# KiCad board Solder.kicad_pcb (continued)
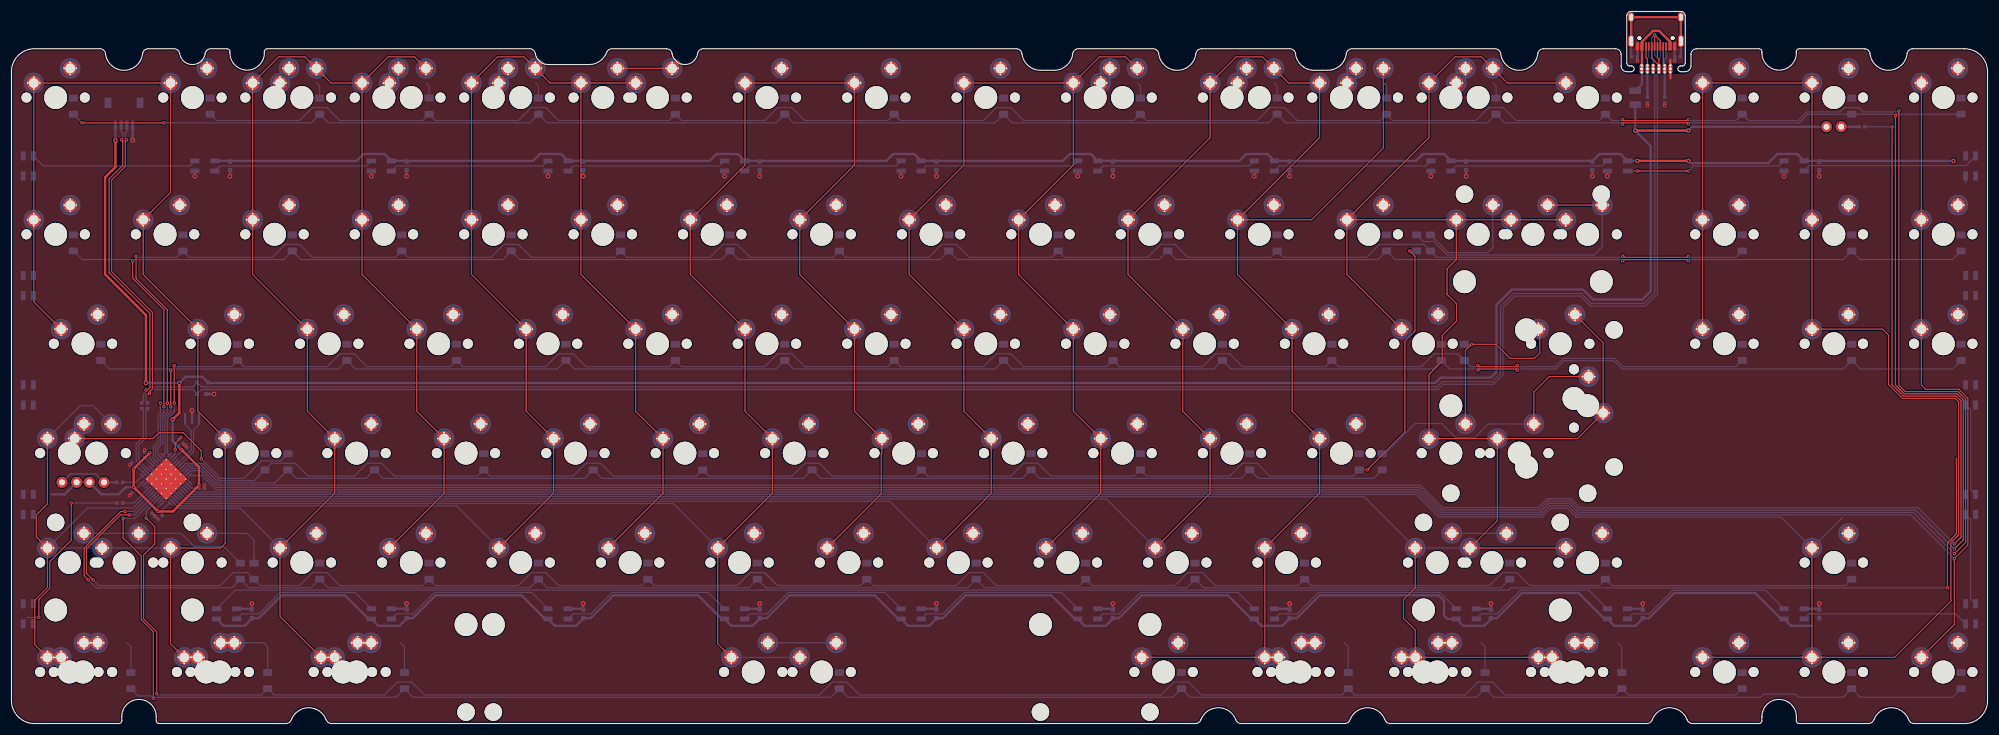
[diagram p0: board, top side]
## Copper pours and planes (outline as drawn; the poured copper is in the pictures) (continued)
C7 on Top: 313.54,85.22 313.54,85.33 313.55,85.43 313.56,85.52 313.57,85.61 313.59,85.69 313.6,85.76 313.63,85.83 313.65,85.9 313.68,85.96 313.71,86.02 313.74,86.08 313.78,86.13 313.81,86.18 313.85,86.23 314.2,86.62 314.25,86.68 314.29,86.73 314.34,86.8 314.39,86.86 314.43,86.93 314.48,87 314.52,87.08 314.56,87.17 313.44,88.34 312.31,87.17 312.36,87.08 312.4,87 312.45,86.93 312.49,86.86 312.54,86.8 312.58,86.73 312.63,86.68 312.68,86.62 313.03,86.23 313.06,86.18 313.1,86.13 313.14,86.08 313.17,86.02 313.2,85.96 313.23,85.9 313.25,85.83 313.27,85.76 313.29,85.69 313.31,85.61 313.32,85.52 313.33,85.43 313.34,85.33 313.34,85.22
C7 on Top: 294.29,90.2 294.29,90.1 294.28,90 294.27,89.91 294.26,89.82 294.24,89.74 294.22,89.66 294.2,89.59 294.18,89.53 294.15,89.47 294.12,89.41 294.09,89.35 294.05,89.3 294.01,89.25 293.98,89.2 293.63,88.81 293.58,88.75 293.53,88.69 293.49,88.63 293.44,88.57 293.4,88.5 293.35,88.42 293.31,88.34 293.26,88.26 294.39,87.09 295.51,88.26 295.47,88.34 295.43,88.42 295.38,88.5 295.34,88.57 295.29,88.63 295.24,88.69 295.2,88.75 295.15,88.81 294.8,89.2 294.76,89.25 294.73,89.3 294.69,89.35 294.66,89.41 294.63,89.47 294.6,89.53 294.58,89.59 294.55,89.66 294.54,89.74 294.52,89.82 294.51,89.91 294.5,90 294.49,90.1 294.49,90.2
C7 on Top: 294.49,109.04 294.49,109.14 294.5,109.24 294.51,109.33 294.52,109.42 294.54,109.5 294.55,109.58 294.58,109.65 294.6,109.71 294.63,109.78 294.66,109.83 294.69,109.89 294.73,109.94 294.76,109.99 294.8,110.04 295.15,110.43 295.2,110.49 295.24,110.55 295.29,110.61 295.34,110.67 295.38,110.74 295.43,110.82 295.47,110.9 295.51,110.98 294.39,112.15 293.26,110.98 293.31,110.9 293.35,110.82 293.4,110.74 293.44,110.67 293.49,110.61 293.53,110.55 293.58,110.49 293.63,110.43 293.98,110.04 294.01,109.99 294.05,109.94 294.09,109.89 294.12,109.83 294.15,109.78 294.18,109.71 294.2,109.65 294.22,109.58 294.24,109.5 294.26,109.42 294.27,109.33 294.28,109.24 294.29,109.14 294.29,109.04
C7 on Top: 313.54,109.04 313.54,109.14 313.55,109.24 313.56,109.33 313.57,109.42 313.59,109.5 313.6,109.58 313.63,109.65 313.65,109.71 313.68,109.78 313.71,109.83 313.74,109.89 313.78,109.94 313.81,109.99 313.85,110.04 314.2,110.43 314.25,110.49 314.29,110.55 314.34,110.61 314.39,110.67 314.43,110.74 314.48,110.82 314.52,110.9 314.56,110.98 313.44,112.15 312.31,110.98 312.36,110.9 312.4,110.82 312.45,110.74 312.49,110.67 312.54,110.61 312.58,110.55 312.63,110.49 312.68,110.43 313.03,110.04 313.06,109.99 313.1,109.94 313.14,109.89 313.17,109.83 313.2,109.78 313.23,109.71 313.25,109.65 313.27,109.58 313.29,109.5 313.31,109.42 313.32,109.33 313.33,109.24 313.34,109.14 313.34,109.04
C7 on Top: 313.34,90.2 313.34,90.1 313.33,90 313.32,89.91 313.31,89.82 313.29,89.74 313.27,89.66 313.25,89.59 313.23,89.53 313.2,89.47 313.17,89.41 313.14,89.35 313.1,89.3 313.06,89.25 313.03,89.2 312.68,88.81 312.63,88.75 312.58,88.69 312.54,88.63 312.49,88.57 312.45,88.5 312.4,88.42 312.36,88.34 312.31,88.26 313.44,87.09 314.56,88.26 314.52,88.34 314.48,88.42 314.43,88.5 314.39,88.57 314.34,88.63 314.29,88.69 314.25,88.75 314.2,88.81 313.85,89.2 313.81,89.25 313.78,89.3 313.74,89.35 313.71,89.41 313.68,89.47 313.65,89.53 313.63,89.59 313.6,89.66 313.59,89.74 313.57,89.82 313.56,89.91 313.55,90 313.54,90.1 313.54,90.2
C7 on Top: 296.88,111.63 296.77,111.63 296.67,111.63 296.58,111.64 296.5,111.66 296.41,111.67 296.34,111.69 296.27,111.71 296.2,111.74 296.14,111.77 296.08,111.8 296.03,111.83 295.97,111.86 295.92,111.9 295.87,111.94 295.48,112.29 295.43,112.33 295.37,112.38 295.31,112.43 295.24,112.47 295.17,112.52 295.1,112.56 295.02,112.61 294.93,112.65 293.76,111.53 294.93,110.4 295.02,110.45 295.1,110.49 295.17,110.53 295.24,110.58 295.31,110.63 295.37,110.67 295.43,110.72 295.48,110.77 295.87,111.11 295.92,111.15 295.97,111.19 296.03,111.22 296.08,111.26 296.14,111.29 296.2,111.31 296.27,111.34 296.34,111.36 296.41,111.38 296.5,111.4 296.58,111.41 296.67,111.42 296.77,111.43 296.88,111.43
C7 on Top: 310.95,111.43 311.06,111.43 311.15,111.42 311.25,111.41 311.33,111.4 311.41,111.38 311.49,111.36 311.56,111.34 311.63,111.31 311.69,111.29 311.75,111.26 311.8,111.22 311.85,111.19 311.91,111.15 311.96,111.11 312.35,110.77 312.4,110.72 312.46,110.67 312.52,110.63 312.59,110.58 312.66,110.53 312.73,110.49 312.81,110.45 312.89,110.4 314.06,111.53 312.89,112.65 312.81,112.61 312.73,112.56 312.66,112.52 312.59,112.47 312.52,112.43 312.46,112.38 312.4,112.33 312.35,112.29 311.96,111.94 311.91,111.9 311.85,111.86 311.8,111.83 311.75,111.8 311.69,111.77 311.63,111.74 311.56,111.71 311.49,111.69 311.41,111.67 311.33,111.66 311.25,111.64 311.15,111.63 311.06,111.63 310.95,111.63
C7 on Top: 315.93,11.61 315.82,11.62 315.72,11.62 315.63,11.63 315.55,11.64 315.46,11.66 315.39,11.68 315.32,11.7 315.25,11.73 315.19,11.76 315.13,11.79 315.08,11.82 315.02,11.85 314.97,11.89 314.92,11.93 314.53,12.28 314.48,12.32 314.42,12.37 314.36,12.42 314.29,12.46 314.22,12.51 314.15,12.55 314.07,12.6 313.98,12.64 312.81,11.51 313.98,10.39 314.07,10.43 314.15,10.48 314.22,10.52 314.29,10.57 314.36,10.61 314.42,10.66 314.48,10.71 314.53,10.75 314.92,11.1 314.97,11.14 315.02,11.18 315.08,11.21 315.13,11.24 315.19,11.27 315.25,11.3 315.32,11.33 315.39,11.35 315.46,11.37 315.55,11.38 315.63,11.4 315.72,11.41 315.82,11.41 315.93,11.41
C7 on Top: 315.93,68.76 315.82,68.77 315.72,68.77 315.63,68.78 315.55,68.79 315.46,68.81 315.39,68.83 315.32,68.85 315.25,68.88 315.19,68.91 315.13,68.94 315.08,68.97 315.02,69 314.97,69.04 314.92,69.08 314.53,69.43 314.48,69.47 314.42,69.52 314.36,69.57 314.29,69.61 314.22,69.66 314.15,69.7 314.07,69.75 313.98,69.79 312.81,68.66 313.98,67.54 314.07,67.58 314.15,67.63 314.22,67.67 314.29,67.72 314.36,67.76 314.42,67.81 314.48,67.86 314.53,67.9 314.92,68.25 314.97,68.29 315.02,68.33 315.08,68.36 315.13,68.39 315.19,68.42 315.25,68.45 315.32,68.48 315.39,68.5 315.46,68.52 315.55,68.53 315.63,68.55 315.72,68.56 315.82,68.56 315.93,68.56
C7 on Top: 294.29,71.15 294.29,71.05 294.28,70.95 294.27,70.86 294.26,70.77 294.24,70.69 294.22,70.61 294.2,70.54 294.18,70.48 294.15,70.42 294.12,70.36 294.09,70.3 294.05,70.25 294.01,70.2 293.98,70.15 293.63,69.76 293.58,69.7 293.53,69.64 293.49,69.58 293.44,69.52 293.4,69.45 293.35,69.37 293.31,69.29 293.26,69.21 294.39,68.04 295.51,69.21 295.47,69.29 295.43,69.37 295.38,69.45 295.34,69.52 295.29,69.58 295.24,69.64 295.2,69.7 295.15,69.76 294.8,70.15 294.76,70.2 294.73,70.25 294.69,70.3 294.66,70.36 294.63,70.42 294.6,70.48 294.58,70.54 294.55,70.61 294.54,70.69 294.52,70.77 294.51,70.86 294.5,70.95 294.49,71.05 294.49,71.15
C7 on Top: 296.88,11.61 296.77,11.62 296.67,11.62 296.58,11.63 296.5,11.64 296.41,11.66 296.34,11.68 296.27,11.7 296.2,11.73 296.14,11.76 296.08,11.79 296.03,11.82 295.97,11.85 295.92,11.89 295.87,11.93 295.48,12.28 295.43,12.32 295.37,12.37 295.31,12.42 295.24,12.46 295.17,12.51 295.1,12.55 295.02,12.6 294.93,12.64 293.76,11.51 294.93,10.39 295.02,10.43 295.1,10.48 295.17,10.52 295.24,10.57 295.31,10.61 295.37,10.66 295.43,10.71 295.48,10.75 295.87,11.1 295.92,11.14 295.97,11.18 296.03,11.21 296.08,11.24 296.14,11.27 296.2,11.3 296.27,11.33 296.34,11.35 296.41,11.37 296.5,11.38 296.58,11.4 296.67,11.41 296.77,11.41 296.88,11.41
C7 on Top: 310.95,11.41 311.06,11.41 311.15,11.41 311.25,11.4 311.33,11.38 311.41,11.37 311.49,11.35 311.56,11.33 311.63,11.3 311.69,11.27 311.75,11.24 311.8,11.21 311.85,11.18 311.91,11.14 311.96,11.1 312.35,10.75 312.4,10.71 312.46,10.66 312.52,10.61 312.59,10.57 312.66,10.52 312.73,10.48 312.81,10.43 312.89,10.39 314.06,11.51 312.89,12.64 312.81,12.6 312.73,12.55 312.66,12.51 312.59,12.46 312.52,12.42 312.46,12.37 312.4,12.32 312.35,12.28 311.96,11.93 311.91,11.89 311.85,11.85 311.8,11.82 311.75,11.79 311.69,11.76 311.63,11.73 311.56,11.7 311.49,11.68 311.41,11.66 311.33,11.64 311.25,11.63 311.15,11.62 311.06,11.62 310.95,11.61
C7 on Bottom: 311.61,32.25 311.68,32.18 311.75,32.1 311.81,32.03 311.86,31.96 311.9,31.89 311.94,31.83 311.98,31.76 312.01,31.7 312.03,31.63 312.05,31.57 312.07,31.51 312.08,31.45 312.09,31.38 312.1,31.32 312.13,30.8 312.13,30.73 312.14,30.65 312.15,30.58 312.17,30.5 312.18,30.42 312.2,30.33 312.23,30.25 312.26,30.15 313.88,30.12 313.85,31.75 313.76,31.77 313.67,31.8 313.59,31.82 313.51,31.84 313.43,31.85 313.35,31.86 313.28,31.87 313.2,31.88 312.68,31.91 312.62,31.91 312.56,31.92 312.5,31.94 312.43,31.95 312.37,31.97 312.31,32 312.24,32.03 312.18,32.06 312.11,32.1 312.04,32.15 311.97,32.2 311.9,32.26 311.83,32.32 311.75,32.4
C7 on Bottom: 315.13,32.4 315.05,32.32 314.98,32.26 314.91,32.2 314.84,32.15 314.77,32.1 314.7,32.06 314.64,32.03 314.57,32 314.51,31.97 314.44,31.95 314.38,31.94 314.32,31.92 314.26,31.91 314.2,31.91 313.67,31.88 313.6,31.87 313.53,31.86 313.45,31.85 313.37,31.84 313.29,31.82 313.21,31.8 313.12,31.77 313.03,31.75 313,30.12 314.62,30.15 314.65,30.25 314.67,30.33 314.7,30.42 314.71,30.5 314.73,30.58 314.74,30.65 314.74,30.73 314.75,30.8 314.78,31.32 314.79,31.38 314.8,31.45 314.81,31.51 314.83,31.57 314.85,31.63 314.87,31.7 314.9,31.76 314.94,31.83 314.97,31.89 315.02,31.96 315.07,32.03 315.13,32.1 315.2,32.18 315.27,32.25
C8 on Top: 332.39,71.15 332.39,71.05 332.38,70.95 332.37,70.86 332.36,70.77 332.34,70.69 332.32,70.61 332.3,70.54 332.28,70.48 332.25,70.42 332.22,70.36 332.19,70.3 332.15,70.25 332.11,70.2 332.08,70.15 331.73,69.76 331.68,69.7 331.63,69.64 331.59,69.58 331.54,69.52 331.5,69.45 331.45,69.37 331.41,69.29 331.36,69.21 332.49,68.04 333.61,69.21 333.57,69.29 333.53,69.37 333.48,69.45 333.44,69.52 333.39,69.58 333.34,69.64 333.3,69.7 333.25,69.76 332.9,70.15 332.86,70.2 332.83,70.25 332.79,70.3 332.76,70.36 332.73,70.42 332.7,70.48 332.68,70.54 332.65,70.61 332.64,70.69 332.62,70.77 332.61,70.86 332.6,70.95 332.59,71.05 332.59,71.15
C8 on Top: 332.59,85.22 332.59,85.33 332.6,85.43 332.61,85.52 332.62,85.61 332.64,85.69 332.65,85.76 332.68,85.83 332.7,85.9 332.73,85.96 332.76,86.02 332.79,86.08 332.83,86.13 332.86,86.18 332.9,86.23 333.25,86.62 333.3,86.68 333.34,86.73 333.39,86.8 333.44,86.86 333.48,86.93 333.53,87 333.57,87.08 333.61,87.17 332.49,88.34 331.36,87.17 331.41,87.08 331.45,87 331.5,86.93 331.54,86.86 331.59,86.8 331.63,86.73 331.68,86.68 331.73,86.62 332.08,86.23 332.11,86.18 332.15,86.13 332.19,86.08 332.22,86.02 332.25,85.96 332.28,85.9 332.3,85.83 332.32,85.76 332.34,85.69 332.36,85.61 332.37,85.52 332.38,85.43 332.39,85.33 332.39,85.22
C8 on Top: 332.59,109.04 332.59,109.14 332.6,109.24 332.61,109.33 332.62,109.42 332.64,109.5 332.65,109.58 332.68,109.65 332.7,109.71 332.73,109.78 332.76,109.83 332.79,109.89 332.83,109.94 332.86,109.99 332.9,110.04 333.25,110.43 333.3,110.49 333.34,110.55 333.39,110.61 333.44,110.67 333.48,110.74 333.53,110.82 333.57,110.9 333.61,110.98 332.49,112.15 331.36,110.98 331.41,110.9 331.45,110.82 331.5,110.74 331.54,110.67 331.59,110.61 331.63,110.55 331.68,110.49 331.73,110.43 332.08,110.04 332.11,109.99 332.15,109.94 332.19,109.89 332.22,109.83 332.25,109.78 332.28,109.71 332.3,109.65 332.32,109.58 332.34,109.5 332.36,109.42 332.37,109.33 332.38,109.24 332.39,109.14 332.39,109.04
C8 on Top: 332.39,90.2 332.39,90.1 332.38,90 332.37,89.91 332.36,89.82 332.34,89.74 332.32,89.66 332.3,89.59 332.28,89.53 332.25,89.47 332.22,89.41 332.19,89.35 332.15,89.3 332.11,89.25 332.08,89.2 331.73,88.81 331.68,88.75 331.63,88.69 331.59,88.63 331.54,88.57 331.5,88.5 331.45,88.42 331.41,88.34 331.36,88.26 332.49,87.09 333.61,88.26 333.57,88.34 333.53,88.42 333.48,88.5 333.44,88.57 333.39,88.63 333.34,88.69 333.3,88.75 333.25,88.81 332.9,89.2 332.86,89.25 332.83,89.3 332.79,89.35 332.76,89.41 332.73,89.47 332.7,89.53 332.68,89.59 332.65,89.66 332.64,89.74 332.62,89.82 332.61,89.91 332.6,90 332.59,90.1 332.59,90.2
C8 on Top: 334.18,13.35 334.1,13.27 334.03,13.21 333.96,13.15 333.89,13.1 333.82,13.05 333.75,13.01 333.69,12.98 333.62,12.95 333.56,12.92 333.49,12.9 333.43,12.89 333.37,12.87 333.31,12.86 333.25,12.86 332.72,12.83 332.65,12.82 332.58,12.81 332.5,12.8 332.42,12.79 332.34,12.77 332.26,12.75 332.17,12.72 332.08,12.7 332.05,11.07 333.67,11.1 333.7,11.2 333.72,11.28 333.75,11.37 333.76,11.45 333.78,11.53 333.79,11.6 333.79,11.68 333.8,11.75 333.83,12.27 333.84,12.33 333.85,12.4 333.86,12.46 333.88,12.52 333.9,12.58 333.92,12.65 333.95,12.71 333.99,12.78 334.02,12.84 334.07,12.91 334.12,12.98 334.18,13.05 334.25,13.13 334.32,13.2
C8 on Top: 332.59,66.17 332.59,66.28 332.6,66.38 332.61,66.47 332.62,66.56 332.64,66.64 332.65,66.71 332.68,66.78 332.7,66.85 332.73,66.91 332.76,66.97 332.79,67.03 332.83,67.08 332.86,67.13 332.9,67.18 333.25,67.57 333.3,67.63 333.34,67.68 333.39,67.75 333.44,67.81 333.48,67.88 333.53,67.95 333.57,68.03 333.61,68.12 332.49,69.29 331.36,68.12 331.41,68.03 331.45,67.95 331.5,67.88 331.54,67.81 331.59,67.75 331.63,67.68 331.68,67.63 331.73,67.57 332.08,67.18 332.11,67.13 332.15,67.08 332.19,67.03 332.22,66.97 332.25,66.91 332.28,66.85 332.3,66.78 332.32,66.71 332.34,66.64 332.36,66.56 332.37,66.47 332.38,66.38 332.39,66.28 332.39,66.17
Shiled on Top: 282.96,123.19 282.19,123.44 281.72,122.99 282.19,122.54 282.96,122.79
Shiled on Top: 282.96,123.19 282.19,123.44 281.72,122.99 282.19,122.54 282.96,122.79
Shiled on Top: 289.62,122.79 290.39,122.54 290.86,122.99 290.39,123.44 289.62,123.19
Shiled on Top: 281.77,119.8 281.52,119.02 281.97,118.56 282.42,119.02 282.17,119.8
Shiled on Top: 282.17,122 282.42,122.77 281.97,123.24 281.52,122.77 281.77,122
Shiled on Top: 282.17,122 282.42,122.77 281.97,123.24 281.52,122.77 281.77,122
Shiled on Top: 281.77,119.8 281.52,119.02 281.97,118.56 282.42,119.02 282.17,119.8
Shiled on Top: 290.41,119.8 290.16,119.02 290.61,118.56 291.06,119.02 290.81,119.8
Shiled on Top: 290.81,122 291.06,122.77 290.61,123.24 290.16,122.77 290.41,122
Shiled on Top: 290.41,119.8 290.16,119.02 290.61,118.56 291.06,119.02 290.81,119.8
Shiled on Top: 290.81,122 291.06,122.77 290.61,123.24 290.16,122.77 290.41,122
Shiled on Top: 289.62,122.79 290.39,122.54 290.86,122.99 290.39,123.44 289.62,123.19
Shiled on Bottom: 281.77,119.8 281.52,119.02 281.97,118.56 282.42,119.02 282.17,119.8
Shiled on Bottom: 281.77,119.8 281.52,119.02 281.97,118.56 282.42,119.02 282.17,119.8
Shiled on Bottom: 282.17,122 282.42,122.77 281.97,123.24 281.52,122.77 281.77,122
Shiled on Bottom: 282.17,122 282.42,122.77 281.97,123.24 281.52,122.77 281.77,122
Shiled on Bottom: 290.81,117.82 291.06,118.59 290.61,119.06 290.16,118.59 290.41,117.82
Shiled on Bottom: 290.81,117.82 291.06,118.59 290.61,119.06 290.16,118.59 290.41,117.82
Shiled on Bottom: 290.41,119.8 290.16,119.02 290.61,118.56 291.06,119.02 290.81,119.8
Shiled on Bottom: 290.81,122 291.06,122.77 290.61,123.24 290.16,122.77 290.41,122
Shiled on Bottom: 290.41,119.8 290.16,119.02 290.61,118.56 291.06,119.02 290.81,119.8
Shiled on Bottom: 290.81,122 291.06,122.77 290.61,123.24 290.16,122.77 290.41,122
Shiled on Bottom: 289.62,122.79 290.39,122.54 290.86,122.99 290.39,123.44 289.62,123.19
Shiled on Bottom: 289.62,122.79 290.39,122.54 290.86,122.99 290.39,123.44 289.62,123.19
Shiled on Bottom: 282.96,123.19 282.19,123.44 281.72,122.99 282.19,122.54 282.96,122.79
Shiled on Bottom: 282.96,123.19 282.19,123.44 281.72,122.99 282.19,122.54 282.96,122.79
Shiled on Bottom: 282.17,117.82 282.42,118.59 281.97,119.06 281.52,118.59 281.77,117.82
Shiled on Bottom: 282.17,117.82 282.42,118.59 281.97,119.06 281.52,118.59 281.77,117.82
Net-(D1-Pad1) on Bottom: 10.05,43.43 10,43.37 9.94,43.32 9.89,43.28 9.83,43.24 9.78,43.2 9.73,43.17 9.68,43.14 9.64,43.12 9.59,43.1 9.54,43.08 9.49,43.07 8.74,42.97 8.68,42.95 8.62,42.94 8.55,42.92 8.49,42.89 8.46,41.66 9.7,41.68 9.72,41.75 9.74,41.82 9.76,41.88 9.77,41.94 9.87,42.69 9.89,42.74 9.9,42.78 9.92,42.83 9.95,42.88 9.97,42.93 10.01,42.98 10.04,43.03 10.08,43.08 10.13,43.14 10.18,43.19 10.23,43.25
Net-(D1-Pad1) on Bottom: 14.67,43.25 14.72,43.19 14.77,43.14 14.82,43.08 14.86,43.03 14.89,42.98 14.92,42.93 14.95,42.88 14.97,42.83 14.99,42.78 15.01,42.74 15.03,42.69 15.13,41.94 15.14,41.88 15.16,41.82 15.18,41.75 15.2,41.68 16.44,41.66 16.41,42.89 16.34,42.92 16.28,42.94 16.22,42.95 16.16,42.97 15.4,43.07 15.36,43.08 15.31,43.1 15.26,43.12 15.21,43.14 15.17,43.17 15.12,43.2 15.06,43.24 15.01,43.28 14.96,43.32 14.9,43.37 14.84,43.43
Net-(D1-Pad1) on Bottom: 18,42.19 17.92,42.2 17.85,42.2 17.78,42.2 17.72,42.21 17.65,42.22 17.6,42.23 17.54,42.25 17.49,42.26 17.44,42.28 17.4,42.3 16.64,42.79 16.58,42.82 16.52,42.85 15.62,41.99 16.52,41.14 16.58,41.17 16.64,41.2 17.4,41.69 17.44,41.71 17.49,41.73 17.54,41.74 17.6,41.76 17.65,41.77 17.72,41.78 17.78,41.78 17.85,41.79 17.92,41.79 18,41.79
Net-(D3-Pad1) on Bottom: 320.42,104.11 320.34,104.11 320.27,104.11 320.2,104.12 320.13,104.12 320.07,104.13 320.02,104.15 319.96,104.16 319.91,104.17 319.86,104.19 319.82,104.21 319.05,104.7 319,104.73 318.93,104.76 318.04,103.91 318.93,103.05 319,103.08 319.05,103.11 319.82,103.61 319.86,103.62 319.91,103.64 319.96,103.66 320.02,103.67 320.07,103.68 320.13,103.69 320.2,103.7 320.27,103.7 320.34,103.71 320.42,103.71
Net-(D7-Pad2) on Top: 13.51,49.71 13.4,49.72 13.3,49.72 13.21,49.73 13.13,49.74 13.05,49.76 12.97,49.78 12.9,49.8 12.83,49.83 12.77,49.86 12.71,49.89 12.66,49.92 12.6,49.95 12.55,49.99 12.5,50.03 12.11,50.38 12.06,50.42 12,50.47 11.94,50.52 11.87,50.56 11.8,50.61 11.73,50.65 11.65,50.7 11.57,50.74 10.4,49.61 11.57,48.49 11.65,48.53 11.73,48.58 11.8,48.62 11.87,48.67 11.94,48.71 12,48.76 12.06,48.81 12.11,48.85 12.5,49.2 12.55,49.24 12.6,49.28 12.66,49.31 12.71,49.34 12.77,49.37 12.83,49.4 12.9,49.43 12.97,49.45 13.05,49.47 13.13,49.48 13.21,49.5 13.3,49.51 13.4,49.51 13.51,49.51
Net-(D8-Pad2) on Bottom: 15.1,33.2 14.99,33.21 14.89,33.21 14.8,33.22 14.71,33.23 14.63,33.25 14.56,33.27 14.49,33.29 14.42,33.32 14.36,33.35 14.3,33.38 14.25,33.41 14.19,33.44 14.14,33.48 14.09,33.52 13.7,33.87 13.65,33.91 13.59,33.96 13.53,34.01 13.46,34.05 13.39,34.1 13.32,34.14 13.24,34.19 13.15,34.23 11.98,33.1 13.15,31.98 13.24,32.02 13.32,32.07 13.39,32.11 13.46,32.16 13.53,32.2 13.59,32.25 13.65,32.3 13.7,32.34 14.09,32.69 14.14,32.73 14.19,32.77 14.25,32.8 14.3,32.83 14.36,32.86 14.42,32.89 14.49,32.92 14.56,32.94 14.63,32.96 14.71,32.97 14.8,32.99 14.89,33 14.99,33 15.1,33
Net-(D8-Pad2) on Bottom: 19.64,33 19.75,33 19.85,33 19.94,32.99 20.03,32.97 20.11,32.96 20.18,32.94 20.25,32.92 20.32,32.89 20.38,32.86 20.44,32.83 20.5,32.8 20.55,32.77 20.6,32.73 20.65,32.69 21.04,32.34 21.09,32.3 21.15,32.25 21.21,32.2 21.28,32.16 21.35,32.11 21.42,32.07 21.5,32.02 21.59,31.98 22.76,33.1 21.59,34.23 21.5,34.19 21.42,34.14 21.35,34.1 21.28,34.05 21.21,34.01 21.15,33.96 21.09,33.91 21.04,33.87 20.65,33.52 20.6,33.48 20.55,33.44 20.5,33.41 20.44,33.38 20.38,33.35 20.32,33.32 20.25,33.29 20.18,33.27 20.11,33.25 20.03,33.23 19.94,33.22 19.85,33.21 19.75,33.21 19.64,33.2
Net-(D8-Pad2) on Bottom: 24.62,33.2 24.52,33.21 24.42,33.21 24.33,33.22 24.24,33.23 24.16,33.25 24.08,33.27 24.01,33.29 23.95,33.32 23.88,33.35 23.83,33.38 23.77,33.41 23.72,33.44 23.67,33.48 23.62,33.52 23.23,33.87 23.17,33.91 23.11,33.96 23.05,34.01 22.99,34.05 22.92,34.1 22.84,34.14 22.76,34.19 22.68,34.23 21.51,33.1 22.68,31.98 22.76,32.02 22.84,32.07 22.92,32.11 22.99,32.16 23.05,32.2 23.11,32.25 23.17,32.3 23.23,32.34 23.62,32.69 23.67,32.73 23.72,32.77 23.77,32.8 23.83,32.83 23.88,32.86 23.95,32.89 24.01,32.92 24.08,32.94 24.16,32.96 24.24,32.97 24.33,32.99 24.42,33 24.52,33 24.62,33
Net-(D14-Pad2) on Bottom: 36.53,33.2 36.42,33.21 36.32,33.21 36.23,33.22 36.14,33.23 36.06,33.25 35.99,33.27 35.92,33.29 35.85,33.32 35.79,33.35 35.73,33.38 35.68,33.41 35.62,33.44 35.57,33.48 35.52,33.52 35.13,33.87 35.08,33.91 35.02,33.96 34.96,34.01 34.89,34.05 34.82,34.1 34.75,34.14 34.67,34.19 34.58,34.23 33.41,33.1 34.58,31.98 34.67,32.02 34.75,32.07 34.82,32.11 34.89,32.16 34.96,32.2 35.02,32.25 35.08,32.3 35.13,32.34 35.52,32.69 35.57,32.73 35.62,32.77 35.68,32.8 35.73,32.83 35.79,32.86 35.85,32.89 35.92,32.92 35.99,32.94 36.06,32.96 36.14,32.97 36.23,32.99 36.32,33 36.42,33 36.53,33
Net-(D15-Pad2) on Bottom: 41.29,14.15 41.19,14.16 41.09,14.16 40.99,14.17 40.91,14.18 40.83,14.2 40.75,14.22 40.68,14.24 40.62,14.27 40.55,14.3 40.49,14.33 40.44,14.36 40.39,14.39 40.33,14.43 40.29,14.47 39.9,14.82 39.84,14.86 39.78,14.91 39.72,14.96 39.66,15 39.59,15.05 39.51,15.09 39.43,15.14 39.35,15.18 38.18,14.05 39.35,12.93 39.43,12.97 39.51,13.02 39.59,13.06 39.66,13.11 39.72,13.15 39.78,13.2 39.84,13.25 39.9,13.29 40.29,13.64 40.33,13.68 40.39,13.72 40.44,13.75 40.49,13.78 40.55,13.81 40.62,13.84 40.68,13.87 40.75,13.89 40.83,13.91 40.91,13.92 40.99,13.94 41.09,13.95 41.19,13.95 41.29,13.95
Net-(D32-Pad2) on Top: 107.97,114.17 107.86,114.17 107.76,114.17 107.67,114.18 107.58,114.2 107.5,114.21 107.43,114.23 107.36,114.25 107.29,114.28 107.23,114.31 107.17,114.34 107.11,114.37 107.06,114.4 107.01,114.44 106.96,114.48 106.57,114.83 106.51,114.87 106.46,114.92 106.4,114.97 106.33,115.01 106.26,115.06 106.19,115.1 106.11,115.15 106.02,115.19 104.85,114.07 106.02,112.94 106.11,112.99 106.19,113.03 106.26,113.07 106.33,113.12 106.4,113.17 106.46,113.21 106.51,113.26 106.57,113.31 106.96,113.65 107.01,113.69 107.06,113.73 107.11,113.76 107.17,113.8 107.23,113.83 107.29,113.85 107.36,113.88 107.43,113.9 107.5,113.92 107.58,113.94 107.67,113.95 107.76,113.96 107.86,113.97 107.97,113.97
Net-(D32-Pad2) on Top: 112.51,113.97 112.62,113.97 112.72,113.96 112.81,113.95 112.9,113.94 112.98,113.92 113.05,113.9 113.12,113.88 113.19,113.85 113.25,113.83 113.31,113.8 113.36,113.76 113.42,113.73 113.47,113.69 113.52,113.65 113.91,113.31 113.96,113.26 114.02,113.21 114.08,113.17 114.15,113.12 114.22,113.07 114.29,113.03 114.37,112.99 114.46,112.94 115.63,114.07 114.46,115.19 114.37,115.15 114.29,115.1 114.22,115.06 114.15,115.01 114.08,114.97 114.02,114.92 113.96,114.87 113.91,114.83 113.52,114.48 113.47,114.44 113.42,114.4 113.36,114.37 113.31,114.34 113.25,114.31 113.19,114.28 113.12,114.25 113.05,114.23 112.98,114.21 112.9,114.2 112.81,114.18 112.72,114.17 112.62,114.17 112.51,114.17
Net-(D42-Pad2) on Bottom: 141.09,13.95 141.19,13.95 141.29,13.95 141.38,13.94 141.47,13.92 141.55,13.91 141.63,13.89 141.7,13.87 141.76,13.84 141.82,13.81 141.88,13.78 141.94,13.75 141.99,13.72 142.04,13.68 142.09,13.64 142.48,13.29 142.54,13.25 142.6,13.2 142.66,13.15 142.72,13.11 142.79,13.06 142.87,13.02 142.95,12.97 143.03,12.93 144.2,14.05 143.03,15.18 142.95,15.14 142.87,15.09 142.79,15.05 142.72,15 142.66,14.96 142.6,14.91 142.54,14.86 142.48,14.82 142.09,14.47 142.04,14.43 141.99,14.39 141.94,14.36 141.88,14.33 141.82,14.3 141.76,14.27 141.7,14.24 141.63,14.22 141.55,14.2 141.47,14.18 141.38,14.17 141.29,14.16 141.19,14.16 141.09,14.15
Net-(D42-Pad2) on Bottom: 134.16,14.15 134.05,14.16 133.95,14.16 133.86,14.17 133.78,14.18 133.7,14.2 133.62,14.22 133.55,14.24 133.48,14.27 133.42,14.3 133.36,14.33 133.31,14.36 133.25,14.39 133.2,14.43 133.15,14.47 132.76,14.82 132.71,14.86 132.65,14.91 132.59,14.96 132.52,15 132.45,15.05 132.38,15.09 132.3,15.14 132.22,15.18 131.05,14.05 132.22,12.93 132.3,12.97 132.38,13.02 132.45,13.06 132.52,13.11 132.59,13.15 132.65,13.2 132.71,13.25 132.76,13.29 133.15,13.64 133.2,13.68 133.25,13.72 133.31,13.75 133.36,13.78 133.42,13.81 133.48,13.84 133.55,13.87 133.62,13.89 133.7,13.91 133.78,13.92 133.86,13.94 133.95,13.95 134.05,13.95 134.16,13.95
Net-(D73-Pad2) on Top: 264.92,54.64 264.92,54.54 264.91,54.44 264.9,54.35 264.89,54.26 264.87,54.18 264.85,54.1 264.83,54.03 264.81,53.97 264.78,53.91 264.75,53.85 264.72,53.79 264.68,53.74 264.65,53.69 264.61,53.64 264.26,53.25 264.21,53.19 264.17,53.13 264.12,53.07 264.07,53.01 264.03,52.94 263.98,52.86 263.94,52.78 263.9,52.7 265.02,51.53 266.15,52.7 266.1,52.78 266.06,52.86 266.01,52.94 265.97,53.01 265.92,53.07 265.87,53.13 265.83,53.19 265.78,53.25 265.43,53.64 265.39,53.69 265.36,53.74 265.32,53.79 265.29,53.85 265.26,53.91 265.23,53.97 265.21,54.03 265.19,54.1 265.17,54.18 265.15,54.26 265.14,54.35 265.13,54.44 265.12,54.54 265.12,54.64
Net-(D73-Pad2) on Top: 272.06,60.31 272.16,60.31 272.26,60.3 272.35,60.29 272.44,60.28 272.52,60.26 272.6,60.24 272.67,60.22 272.73,60.2 272.79,60.17 272.85,60.14 272.91,60.11 272.96,60.07 273.01,60.04 273.06,60 273.45,59.65 273.51,59.6 273.57,59.56 273.63,59.51 273.69,59.46 273.76,59.42 273.84,59.37 273.92,59.33 274,59.28 275.17,60.41 274,61.53 273.92,61.49 273.84,61.45 273.76,61.4 273.69,61.36 273.63,61.31 273.57,61.26 273.51,61.22 273.45,61.17 273.06,60.82 273.01,60.78 272.96,60.75 272.91,60.71 272.85,60.68 272.79,60.65 272.73,60.62 272.67,60.6 272.6,60.58 272.52,60.56 272.44,60.54 272.35,60.53 272.26,60.52 272.16,60.51 272.06,60.51
